# Altium PCB CONTROLBAORD_PCB.PcbDoc (part 2 of 2)
Units mm, origin at the board's own origin, x right, y up, seen from the top; angles counter-clockwise.
Board outline 100 x 100 mm, 4 copper layers (Top Layer, Int1 (GND), Int2 (PWR), Bottom Layer), stack 1.547 mm thick; 152 components, 98 nets, 463 pads, 239 vias.
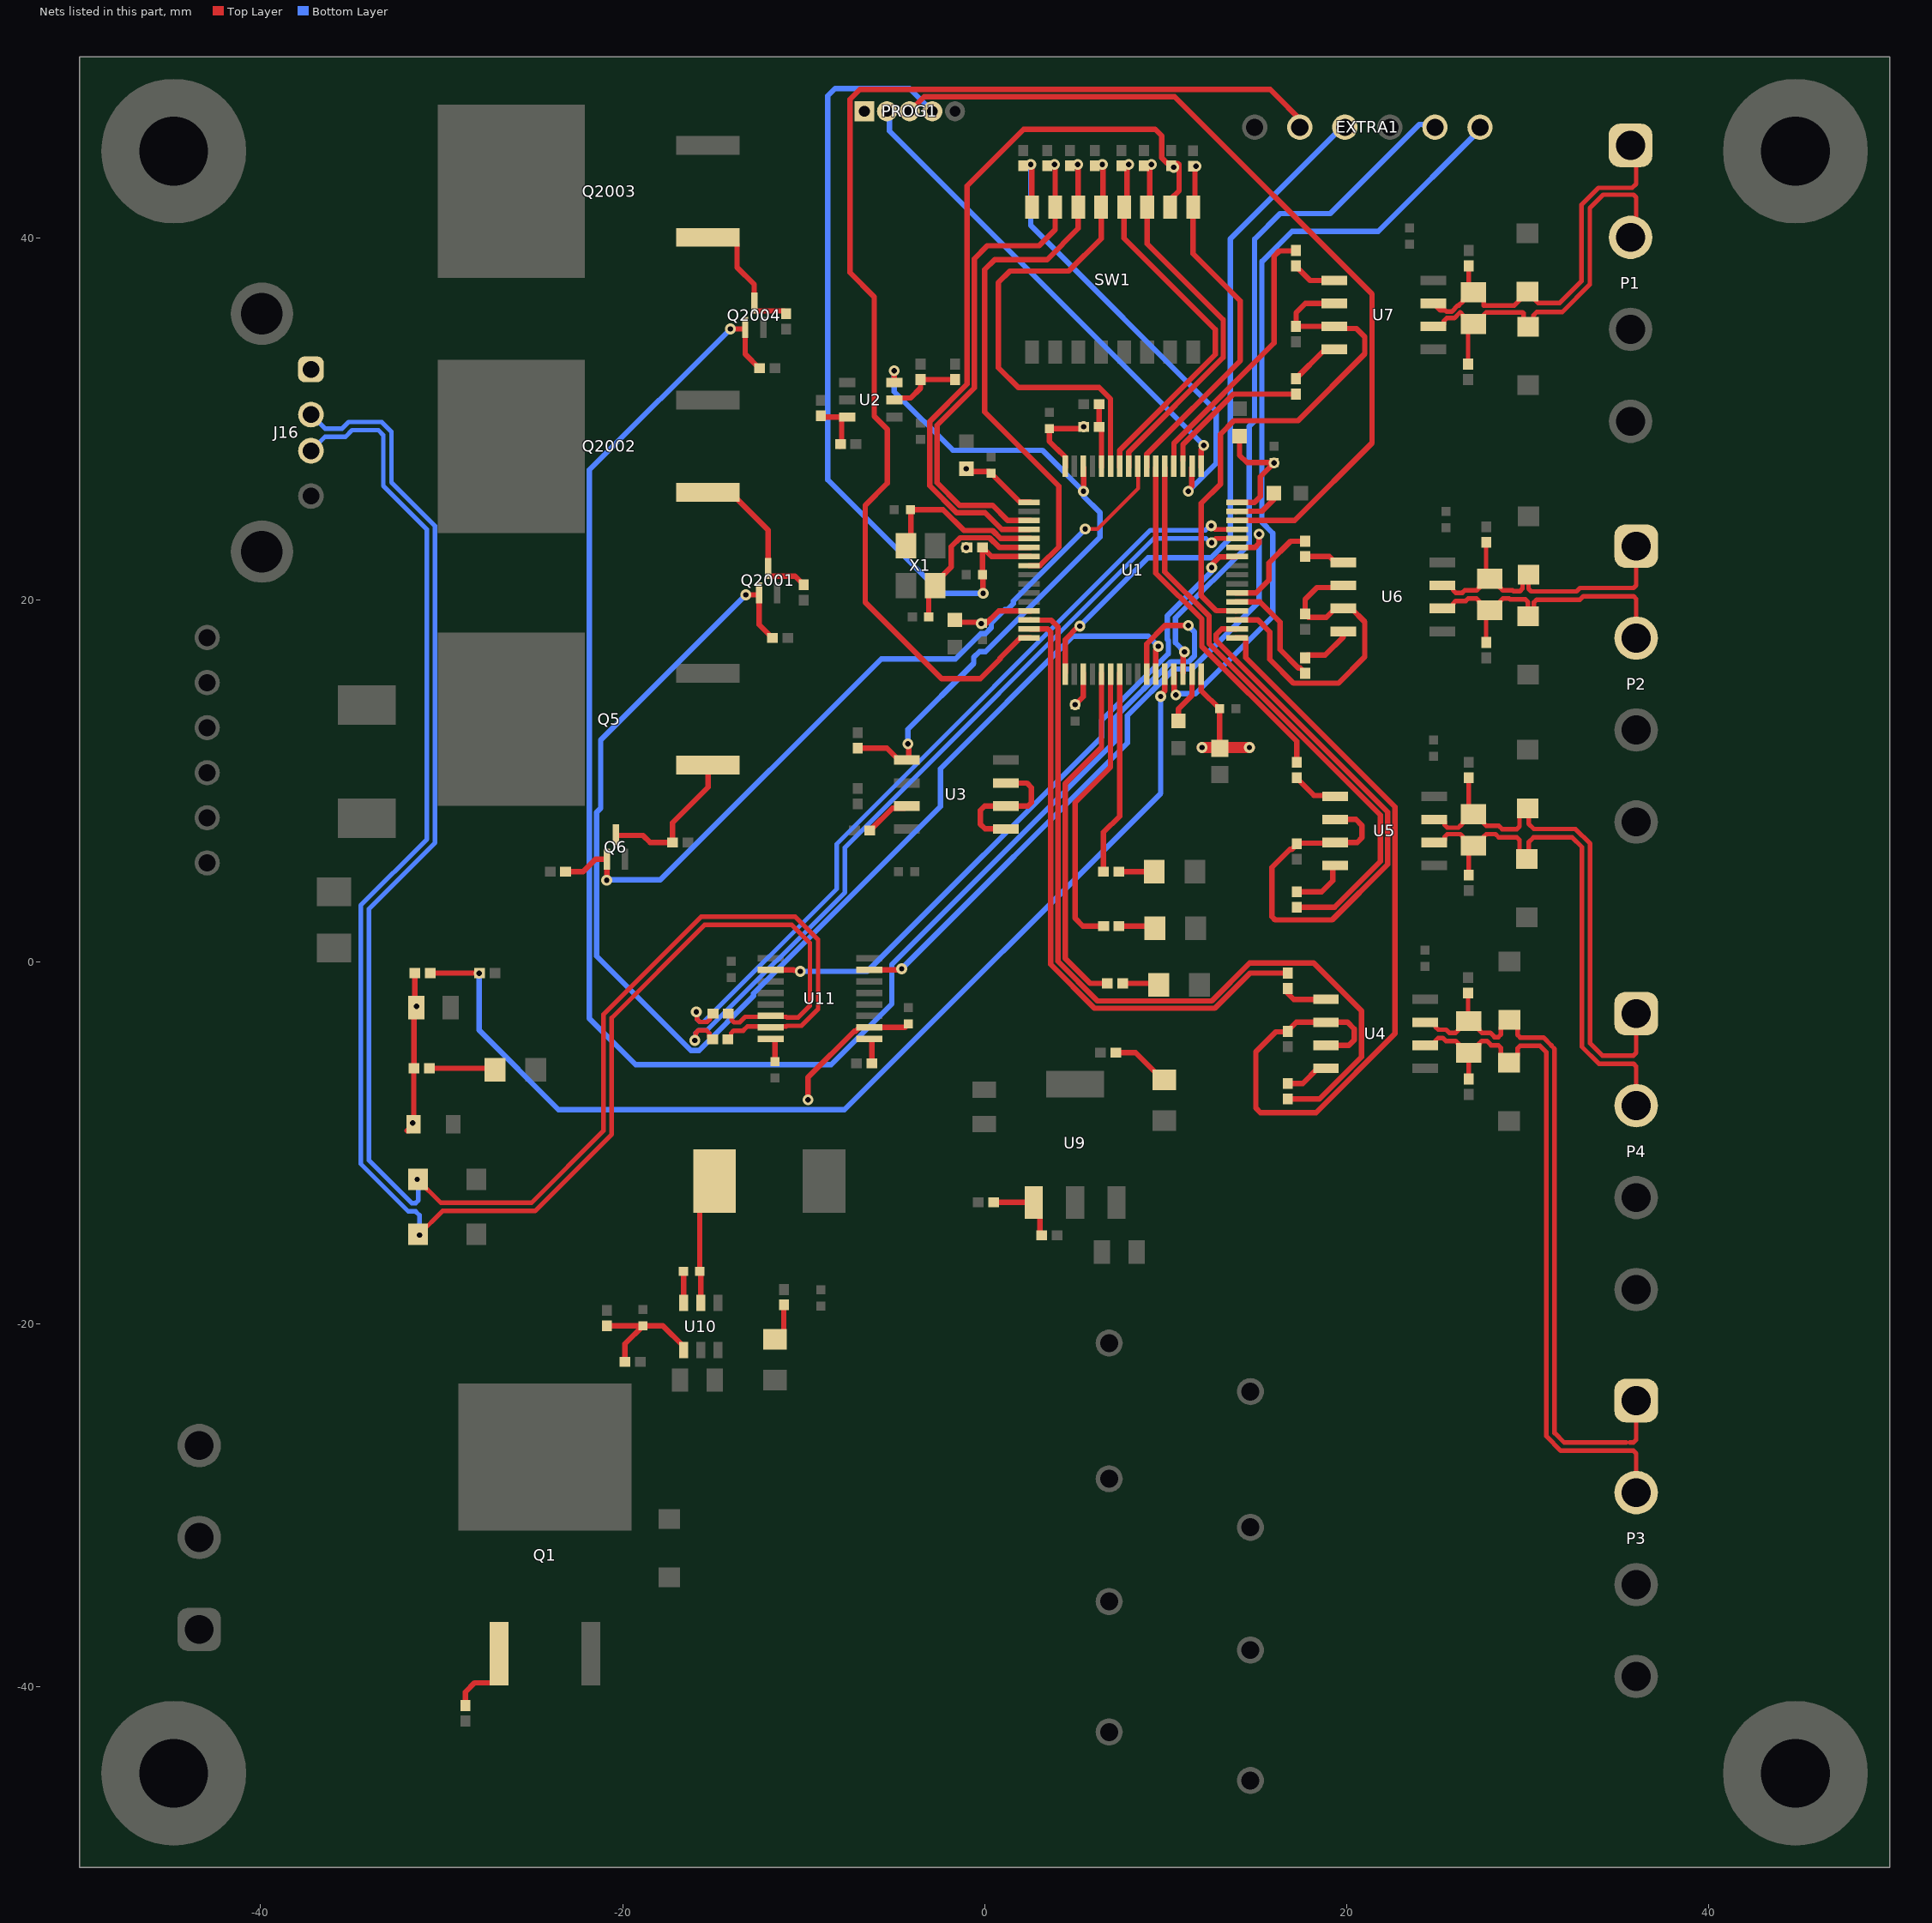
[diagram p4: the nets of this part, all layers, seen from the top]

## Via types
v1: diameter 0.6, hole 0.3, Top Layer to Bottom Layer, 239 vias

## Nets (pads, with @x,y where several pads share a name; then routed paths per layer and width w, separated by ;. In a path a pad name is that pad's centre, name@x,y a point inside that pad or via, vN(x,y) a via of type N, cw(c..) or ccw(c..) an arc to the next point about the centre after c; other vN are vias at no path point) (continued)
I2C_SDA-1: R6.1 U1.62 U2.6 U3.5 | length 38.4
  Top Layer w0.3: R6.1@-7,11.82 -5.396,11.82 -4.742,11.167 U3.5@-4.3,11.167 -4.282,11.167 -4.166,11.283 -4.166,11.354 -4.184,11.373 -4.184,12.008 v1(-4.242,12.065) ; U2.6@-4.988,32.015 v1(-4.988,32.664) ; U1.62@5.46,27.325 5.47,27.315 5.47,26.339
  Bottom Layer w0.3: v1(-4.988,32.664) -4.988,31.515 -1.752,28.279 3.192,28.279 v1(5.461,26.01) 5.461,25.756 6.375,24.841 6.375,23.479 0.058,17.162 -0.279,17.162 -0.601,16.839 -0.601,16.503 -4.242,12.862 v1(-4.242,12.065)
NetC3_2: C3.2 PROG1.4 R3.2 U1.7 | length 44.3
  Top Layer w0.3: v1(-0.076,20.371) -0.093,20.388 -0.093,21.388 C3.2@-0.11,21.405 R3.2@-0.11,22.905 0.39,22.405 U1.7@2.46,22.405 U1.7@2.54,22.405
  Bottom Layer w0.3: PROG1.4@-2.888,47 -4.148,48.26 -8.255,48.26 -8.661,47.854 -8.661,26.645 -2.388,20.371 v1(-0.076,20.371)
NetC21_1: C21.1 U10.6 | length 1.7
  Top Layer w0.3: U10.6@-16.629,-18.82 C21.1@-16.629,-17.08
NetC21_2: C21.2 L2.1 U10.5 | length 7.1
  Top Layer w0.3: C21.2@-15.738,-17.08 -15.738,-12.903 L2.1@-14.915,-12.08 ; U10.5@-15.679,-18.82 C21.2@-15.679,-17.08
NetC25_1: C25.1 R56.1 R59.2 U10.1 | length 7.3
  Top Layer w0.3: R56.1@-20.865,-20.08 C25.1@-18.865,-20.08 ; R59.2@-19.865,-22.08 -19.865,-21.08 C25.1@-18.865,-20.08 ; U10.1@-16.629,-21.424 -16.629,-21.227 -17.776,-20.08 C25.1@-18.865,-20.08
NetC29_2: C29.2 U11.8 | length 1.5
  Top Layer w0.3: U11.8@-11.817,-4.236 -11.603,-4.236 -11.575,-4.264 C29.2@-11.575,-5.483
NetD7_A: D7.A R33.1 | length 2
  Top Layer w0.3: R33.1@7.425,2 9.288,2 D7.A@9.412,1.877
NetD8_A: D8.A R38.1 | length 2
  Top Layer w0.3: R38.1@7.42,5 D8.A@9.371,5
NetD11_A: D11.A R47.1 | length 2
  Top Layer w0.3: R47.1@7.635,-1.169 9.548,-1.169 D11.A@9.621,-1.242
NetD15_A: D15.A R54.1 | length 3.3
  Top Layer w0.3: R54.1@7.25,-5 8.348,-5 9.852,-6.504 D15.A@9.927,-6.504
NetD16_A: D16.A R57.1 | length 2.2
  Top Layer w0.3: D16.A@-11.59,-20.83 -11.515,-20.83 -11.09,-20.405 R57.1@-11.09,-18.93
NetD18_A: D18.A R60.2 | length 3.7
  Top Layer w0.3: R60.2@-30.675,-5.86 -27.122,-5.86 D18.A@-27.048,-5.933
NetEXTRA1_1: EXTRA1.1 U1.29 | length 43.9
  Top Layer w0.3: U1.29@10.46,15.985 10.47,15.975 10.47,14.935 10.566,14.839 v1(10.566,14.757)
  Bottom Layer w0.3: v1(10.566,14.757) 10.499,14.825 11.65,14.825 15.926,19.101 15.926,23.7 15.319,24.307 15.319,38.71 15.342,38.71 16.993,40.361 21.742,40.361 EXTRA1.1@27.661,46.279
NetEXTRA1_2: EXTRA1.2 U1.30 | length 38.9
  Top Layer w0.3: U1.30@10.96,15.985 10.97,15.995 10.97,16.985 11.049,17.064 v1(11.049,17.145)
  Bottom Layer w0.3: v1(11.049,17.145) 10.551,17.643 10.551,19.019 14.614,23.082 14.614,29.601 14.919,29.906 14.919,39.938 16.332,41.351 19.096,41.351 24.023,46.278 EXTRA1.2@25.171,46.278
NetEXTRA1_4: EXTRA1.4 U1.17 | length 39.1
  Top Layer w0.3: U1.17@4.46,15.985 4.45,15.995 4.45,17.824 5.193,18.567 v1(5.258,18.567)
  Bottom Layer w0.3: v1(5.258,18.567) 9.034,22.343 12.504,22.343 13.58,23.419 13.58,39.954 19.905,46.279 EXTRA1.4@20.193,46.279
NetEXTRA1_5: EXTRA1.5 U1.16 | length 67.2
  Top Layer w0.3: U1.16@2.54,17.905 1.965,17.905 0.863,16.803 0.863,16.747 -0.229,15.655 -2.378,15.655 -6.595,19.873 -6.595,25.228 -5.368,26.455 -5.368,29.437 -6.096,30.164 -6.096,36.747 -7.442,38.093 -7.442,47.658 -6.896,48.204 15.779,48.204 EXTRA1.5@17.704,46.279
NetPROG1_2: PROG1.2 U1.49 | length 27
  Top Layer w0.3: U1.49@11.96,27.325 11.97,27.335 11.97,28.323 12.116,28.468 v1(12.116,28.55)
  Bottom Layer w0.3: PROG1.2@-5.388,47 -5.249,46.861 -5.249,45.915 v1(12.116,28.55)
NetPROG1_3: PROG1.3 U1.46 | length 47.9
  Top Layer w0.3: PROG1.3@-4.138,47 -3.334,47.804 10.503,47.804 21.406,36.901 21.406,28.677 17.134,24.405 U1.46@13.88,24.405
NetQ1_1: Q1.1 R49.2 | length 4.2
  Top Layer w0.3: R49.2@-28.685,-41.062 -28.685,-40.312 -28.177,-39.804 -27.193,-39.804 -26.822,-39.433 Q1.1@-26.822,-38.202
NetQ5_1: Q5.1 Q6.3 R64.1 | length 8.4
  Top Layer w0.3: Q6.3@-20.365,7.036 -20.365,7.025 -20.34,7 -18.865,7 -18.481,6.616 R64.1@-17.24,6.616 -17.24,7.7 -15.277,9.663 Q5.1@-15.277,10.88
NetQ6_1: Q6.1 R65.2 U1.56 | length 42.9
  Top Layer w0.2: v1(5.563,23.927) 6.248,23.927 8.484,26.162 8.484,26.797
  Top Layer w0.3: R65.2@-23.15,5 -22.178,5 -21.492,5.686 Q6.1@-20.865,5.686 -20.872,5.679 -20.872,4.528 v1(-20.879,4.521)
  Bottom Layer w0.3: v1(-20.879,4.521) -20.85,4.55 -17.918,4.55 -5.713,16.755 -1.609,16.755 -0.211,18.153 0.046,18.153 0.369,18.475 0.369,18.733 1.118,19.482 1.263,19.482 1.585,19.804 1.585,19.949 v1(5.563,23.927)
NetQ2001_1: Q2001.1 R2001.2 U1.27 | length 72.6
  Top Layer w0.3: v1(-13.183,20.295) -12.485,20.295 Q2001.1@-12.46,20.32 ; Q2001.1@-12.46,20.405 Q2001.1@-12.46,20.32 ; R2001.2@-11.715,17.905 -11.74,17.905 -11.865,18.03 -11.865,18.055 -12.46,18.65 Q2001.1@-12.46,20.32 ; U1.27@9.46,15.985 9.46,17.227 9.601,17.369 v1(9.601,17.45)
  Bottom Layer w0.3: v1(-13.183,20.295) -21.209,12.268 -21.209,8.501 -21.429,8.281 -21.429,0.331 -16.23,-4.868 -15.774,-4.868 -12.763,-1.857 -12.763,-1.718 -2.44,8.604 -2.44,10.689 4.871,18 9.051,18 v1(9.601,17.45)
NetQ2001_3: Q2001.3 Q2002.1 R2002.1 | length 8.9
  Top Layer w0.3: Q2002.1@-15.277,25.957 -14.045,25.957 -11.96,23.872 Q2001.3@-11.96,21.755 -11.96,21.35 -11.935,21.324 -10.474,21.324 R2002.1@-10,20.85
NetQ2003_1: Q2003.1 Q2004.3 R2003.1 | length 7.7
  Top Layer w0.3: Q2003.1@-15.277,40.037 -14.045,40.037 -13.674,39.666 -13.674,38.381 -12.725,37.432 Q2004.3@-12.725,36.401 -12.725,35.996 -12.7,35.97 -11.085,35.97 -10.96,35.845 R2003.1@-10.96,35.821
NetQ2004_1: Q2004.1 R2004.2 U1.26 | length 96.7
  Top Layer w0.3: v1(-14.046,34.976) -13.25,34.976 Q2004.1@-13.225,35.001 ; Q2004.1@-13.225,35.051 Q2004.1@-13.225,35.001 ; R2004.2@-12.425,32.81 -12.45,32.81 -13.225,33.585 Q2004.1@-13.225,35.001 ; U1.26@8.96,15.985 8.96,17.586 9.966,18.593 v1(11.252,18.593)
  Bottom Layer w0.3: v1(-14.046,34.976) -21.829,27.193 -21.829,-3.114 -19.279,-5.664 -8.484,-5.664 -5.128,-2.309 -5.128,-0.136 7.188,12.181 7.188,13.485 10.299,16.595 11.277,16.595 11.599,16.917 11.599,18.246 v1(11.252,18.593)
NetR1_1: R1.1 R2.1 U1.60 | length 3.6
  Top Layer w0.3: R1.1@6.325,30.815 R2.1@6.325,29.565 6.335,29.565 6.46,29.44 U1.60@6.46,27.325
NetR8_1: R8.1 SW1.8 U1.50 | length 26.6
  Top Layer w0.3: v1@2.58,44.075 2.605,44.05 2.605,41.884 SW1.8@2.63,41.859 ; v1(11.252,26.01) 11.252,26.091 11.45,26.289 11.45,27.315 U1.50@11.46,27.325
  Bottom Layer w0.3: v1(2.548,44.067) 2.548,40.699 12.802,30.446 12.802,27.559 v1(11.252,26.01)
NetR9_1: R9.1 SW1.7 U1.3 | length 28
  Top Layer w0.3: U1.3@2.54,24.405 U1.3@2.46,24.405 1.273,24.405 0.445,25.233 -1.382,25.233 -2.631,26.482 -2.631,29.659 -0.569,31.722 -0.569,38.852 0.152,39.573 3.011,39.573 3.9,40.462 3.9,41.859 v1@3.9,44.075
  other v1: 3.868,44.067
NetR10_1: R10.1 SW1.6 U1.8 | length 28.7
  Top Layer w0.3: U1.8@2.46,21.905 2.462,21.907 3.065,21.907 4.098,22.94 4.098,26.296 0,30.394 0,38.252 0.559,38.811 3.454,38.811 5.17,40.527 5.17,41.859 v1@5.17,44.075
  other v1: 5.138,44.067
NetR11_1: R11.1 SW1.5 U1.59 | length 26.2
  Top Layer w0.3: v1@6.54,44.075 6.54,41.959 6.44,41.859 6.44,39.968 4.648,38.176 1.397,38.176 0.762,37.541 0.762,32.842 1.865,31.739 6.33,31.739 6.96,31.109 U1.59@6.96,27.325
  other v1: 6.508,44.067
NetR12_1: R12.1 SW1.4 U1.58 | length 21.2
  Top Layer w0.3: U1.58@7.46,27.325 7.462,27.327 7.462,28.273 12.752,33.562 12.752,34.952 7.71,39.994 SW1.4@7.71,41.7 7.71,41.859 7.875,42.024 7.875,43.95 v1@8,44.075
  other v1: 7.968,44.067
NetR13_1: R13.1 SW1.3 U1.57 | length 20.8
  Top Layer w0.3: U1.57@7.96,27.325 U1.57@7.96,27.405 7.96,28.178 13.183,33.401 13.183,35.484 8.98,39.686 SW1.3@8.98,41.7 8.98,41.859 9.125,42.004 9.125,43.95 v1@9.25,44.075
  other v1: 9.218,44.067
NetR14_1: R14.1 SW1.2 U1.4 | length 41
  Top Layer w0.3: U1.4@2.46,23.905 0.95,23.905 0.022,24.833 -1.548,24.833 -3.031,26.316 -3.031,29.865 -0.969,31.928 -0.969,42.872 2.159,45.999 9.423,45.999 9.781,45.642 9.781,44.433 10.09,44.124 10.661,44.124 v1(10.447,43.91) ; SW1.2@10.25,41.859 10.25,42.113 10.75,42.613 10.75,44.067
NetR15_1: R15.1 SW1.1 U1.55 | length 19.9
  Top Layer w0.3: U1.55@8.96,27.325 8.96,28.061 14.122,33.223 14.122,36.539 11.52,39.141 11.52,41.859 11.627,41.965 11.627,43.917 v1(11.684,43.974)
NetR16_1: R16.1 R19.2 U2.3 | length 3.3
  Top Layer w0.3: R19.2@-9.054,30.187 -8.982,30.115 U2.3@-7.789,30.115 ; R16.1@-8,28.5 R16.1@-7.963,28.537 ; R16.1@-7.963,28.612 R16.1@-7.963,28.537 ; U2.3@-7.592,30.115 U2.3@-7.789,30.115 ; R16.1@-7.963,28.537 -7.893,28.607 -7.893,30.011 U2.3@-7.789,30.115
NetR17_1: R17.1 R18.2 U2.5 | length 4.1
  Top Layer w0.3: U2.5@-4.988,31.065 -4.891,31.163 -4.087,31.163 -3.538,31.712 R18.2@-3.538,32.187 R17.1@-1.638,32.187
NetR20_2: R20.2 U3.7 | length 2.6
  Top Layer w0.3: R20.2@-6.339,7.285 -6.314,7.285 -5.088,8.511 -4.417,8.511 U3.7@-4.3,8.627
NetR23_1: R23.1 U4.1 | length 2.2
  Top Layer w0.3: R23.1@16.75,-1.719 17.081,-2.05 U4.1@18.86,-2.05
NetR23_2: R23.2 U1.15 | length 34.4
  Top Layer w0.3: U1.15@2.54,18.405 3.493,18.405 3.65,18.248 3.65,-0.117 6.075,-2.542 12.716,-2.542 14.659,-0.599 R23.2@16.75,-0.599
NetR24_1: R24.1 U5.1 | length 2.6
  Top Layer w0.3: R24.1@17.25,10.186 17.25,10.161 18.201,9.21 19.306,9.21 U5.1@19.36,9.156
NetR24_2: R24.2 U1.54 | length 19.5
  Top Layer w0.3: U1.54@9.46,27.325 9.46,21.493 12.005,18.948 12.005,18.492 12.002,18.488 12.002,17.444 17.25,12.196 R24.2@17.25,11.036
NetR27_1: R27.1 U4.4 | length 2.5
  Top Layer w0.3: R27.1@16.75,-6.702 17.575,-6.702 18.417,-5.86 U4.4@18.86,-5.86
NetR27_2: R27.2 U1.14 | length 47.4
  Top Layer w0.3: U1.14@2.54,18.905 2.55,18.895 3.682,18.895 4.05,18.527 4.05,0.048 6.241,-2.142 12.55,-2.142 14.643,-0.049 18.187,-0.049 20.822,-2.684 20.822,-5.226 18.496,-7.552 R27.2@16.75,-7.552
NetR28_1: R28.1 U5.4 | length 3.1
  Top Layer w0.3: R28.1@17.25,3.891 18.623,3.891 19.243,4.511 19.243,5.23 U5.4@19.36,5.346
NetR28_2: R28.2 U1.53 | length 32.4
  Top Layer w0.3: U1.53@9.96,27.325 9.96,21.559 12.405,19.113 12.405,18.326 12.402,18.323 12.402,17.61 21.876,8.136 21.876,5.575 19.342,3.041 R28.2@17.25,3.041
NetR31_2: R31.2 U1.33 U4.2 U4.3 | length 47.1
  Top Layer w0.3: U1.33@13.88,17.905 14.42,17.905 14.43,17.895 14.43,16.823 22.676,8.577 22.676,-3.938 18.308,-8.306 15.24,-8.306 14.986,-8.052 14.986,-4.953 16.095,-3.844 16.75,-3.844 R31.2@16.75,-3.819 16.75,-3.794 17.224,-3.32 U4.2@18.86,-3.32 20.059,-3.32 20.422,-3.683 20.422,-4.293 20.124,-4.59 U4.3@18.86,-4.59
NetR32_2: R32.2 U1.34 U5.2 U5.3 | length 36.3
  Top Layer w0.3: U1.34@13.88,18.405 13.111,18.405 12.802,18.096 12.802,17.775 22.276,8.301 22.276,5.409 19.206,2.339 16.051,2.339 15.875,2.515 15.875,5.24 16.871,6.236 16.975,6.236 17.25,6.511 R32.2@17.25,6.536 17.29,6.576 19.32,6.576 U5.3@19.36,6.616 20.586,6.616 20.853,6.883 20.853,7.551 20.518,7.886 U5.2@19.36,7.886
NetR33_2: R33.2 U1.22 | length 16.1
  Top Layer w0.3: R33.2@6.575,2 5.433,2 5,2.433 5,8.822 6.96,10.782 U1.22@6.96,15.985
NetR36_1: R36.1 U6.1 | length 2.2
  Top Layer w0.3: R36.1@17.71,22.405 19.055,22.405 19.378,22.083 U6.1@19.82,22.083
NetR36_2: R36.2 U1.38 | length 5.6
  Top Layer w0.3: U1.38@13.88,20.405 15,20.405 15.71,21.115 15.71,22.06 16.905,23.255 R36.2@17.71,23.255
NetR37_1: R37.1 U7.1 | length 2.5
  Top Layer w0.3: R37.1@17.21,38.465 17.21,38.44 17.991,37.659 U7.1@19.32,37.659
NetR37_2: R37.2 U1.52 | length 15.3
  Top Layer w0.3: U1.52@10.46,27.325 10.46,28.661 16,34.201 16,39 16.29,39.29 17.21,39.29 R37.2@17.21,39.315
NetR38_2: R38.2 U1.23 | length 11.4
  Top Layer w0.3: R38.2@6.57,5 6.57,7.175 7.46,8.065 U1.23@7.46,15.985
NetR41_1: R41.1 U6.4 | length 2.9
  Top Layer w0.3: R41.1@17.71,16.81 17.71,16.835 17.835,16.96 18.82,16.96 19.82,17.96 U6.4@19.82,18.273
NetR41_2: R41.2 U1.37 | length 6.4
  Top Layer w0.3: U1.37@13.88,19.905 13.89,19.895 15.22,19.895 16.323,18.792 16.323,17.268 17.331,16.26 17.435,16.26 17.71,15.985 R41.2@17.71,15.96
NetR42_1: R42.1 U7.4 | length 2.8
  Top Layer w0.3: R42.1@17.21,32.23 17.21,32.305 17.26,32.305 18.688,33.733 19.203,33.733 U7.4@19.32,33.849
NetR42_2: R42.2 U1.51 | length 8.3
  Top Layer w0.3: U1.51@10.96,27.711 10.96,28.596 13.744,31.38 R42.2@17.21,31.38
NetR45_2: R45.2 U1.35 U6.2 U6.3 | length 19.1
  Top Layer w0.3: U1.35@13.88,18.905 15.106,18.905 15.762,18.249 15.762,16.722 17.074,15.41 19.55,15.41 21.006,16.866 21.006,18.799 20.262,19.543 U6.3@19.82,19.543 19.378,19.543 18.885,19.05 17.895,19.05 17.86,19.085 17.835,19.085 17.71,19.21 R45.2@17.71,19.235 17.71,20.047 18.36,20.697 19.703,20.697 U6.2@19.82,20.813
NetR46_2: R46.2 U1.36 U7.2 U7.3 | length 29.5
  Top Layer w0.3: U1.36@13.88,19.405 13.87,19.415 12.803,19.415 11.972,20.246 11.972,25.345 13.03,26.403 13.03,29.166 13.775,29.911 17.313,29.911 21.006,33.604 21.006,34.544 20.547,35.003 19.634,35.003 19.518,35.119 U7.3@19.32,35.119 19.318,35.12 17.212,35.12 R46.2@17.21,35.122 17.21,35.872 17.727,36.389 U7.2@19.32,36.389
NetR47_2: R47.2 U1.21 | length 19.5
  Top Layer w0.3: U1.21@6.46,15.985 6.46,11.87 4.46,9.87 4.46,0.204 5.833,-1.169 R47.2@6.785,-1.169
NetR55_1: R55.1 R58.2 U9.1 | length 4.2
  Top Layer w0.3: R58.2@0.502,-13.264 U9.1@2.71,-13.264 3.06,-13.614 3.06,-14.985 R55.1@3.155,-15.08
NetR61_2: R61.2 R62.1 U1.28 | length 59.3
  Top Layer w0.3: R62.1@-30.623,-0.599 R61.2@-27.898,-0.599 ; v1(9.728,14.681) 9.728,14.762 9.95,14.984 9.95,15.975 U1.28@9.96,15.985
  Bottom Layer w0.3: v1(-27.93,-0.607) -27.93,-3.749 -23.534,-8.145 -7.738,-8.145 9.728,9.322 v1(9.728,14.681)
NetR63_1: R63.1 U11.9 | length 1.5
  Top Layer w0.3: U11.9@-6.369,-4.236 -6.26,-4.236 -6.232,-4.264 R63.1@-6.232,-5.582
NetU1_42: U1.42 U11.2 | length 36.9
  Top Layer w0.3: U11.2@-11.817,-0.426 -10.547,-0.426 -10.516,-0.457 ; v1(12.548,21.793) 12.548,21.966 12.977,22.395 13.87,22.395 U1.42@13.88,22.405
  Bottom Layer w0.3: v1(-10.185,-0.508) -6.479,-0.508 6.471,12.442 6.471,13.361 10.151,17.041 10.151,17.778 10.099,17.83 10.099,19.132 12.548,21.581 v1(12.548,21.793)
NetU1_43: U1.43 U11.15 | length 36.6
  Top Layer w0.3: U11.15@-6.369,-0.426 -4.642,-0.426 v1@-4.496,-0.279 ; U1.43@13.88,22.905 13.89,22.915 14.939,22.915 15.164,23.139 v1(15.164,23.647)
  Bottom Layer w0.3: v1(-4.578,-0.364) 7.899,12.114 7.899,13.63 10.464,16.195 11.442,16.195 15.164,19.916 v1(15.164,23.647)
NetU3_1: U3.1 U3.2 U3.3 | length 7.6
  Top Layer w0.3: U3.1@1.18,7.357 1.168,7.369 0.022,7.369 -0.229,7.62 -0.229,8.388 0.01,8.627 U3.2@1.18,8.627 2.393,8.627 2.58,8.814 2.58,9.311 2.591,9.322 2.591,9.645 2.339,9.897 U3.3@1.18,9.897
OSC_IN: C10.1 U1.5 X1.3 | length 9.4
  Top Layer w0.3: X1.3@-4.338,23.005 -4.064,23.279 -4.064,24.986 -4.05,25 -2.292,25 -1.137,23.845 0.445,23.845 0.885,23.405 U1.5@2.46,23.405 U1.5@2.54,23.405
OSC_OUT: C9.1 U1.6 X1.1 | length 9.2
  Top Layer w0.3: C9.1@-3.088,19.065 -3.088,20.455 X1.1@-2.738,20.805 -2.738,20.932 -1.84,21.83 -1.84,22.953 -1.348,23.445 0.279,23.445 0.819,22.905 U1.6@2.46,22.905 U1.6@2.54,22.905
RS485_1_N: D1.1 P3.1 R22.1 R25.1 U4.7 | length 39.2
  Top Layer w0.254: U4.7@24.34,-3.32 24.782,-3.32 24.922,-3.459 24.922,-3.579 25.071,-3.728 25.499,-3.728 25.669,-3.898 26.028,-3.898 26.177,-3.749 26.177,-3.673 26.6,-3.25 R25.1@26.75,-3.25 ; R22.1@26.71,-1.696 26.71,-3.21 R25.1@26.75,-3.25 ; 35.453,-26.528 32.023,-26.528 31.493,-25.998 31.493,-4.79 31.318,-4.616 31.318,-4.597 30.879,-4.159 29.594,-4.159 29.445,-4.01 29.445,-3.609 29.026,-3.19 D1.1@29,-3.19 28.949,-3.19 28.53,-3.609 28.53,-3.985 28.381,-4.134 28.171,-4.134 27.935,-3.898 27.472,-3.898 27.323,-3.749 27.323,-3.673 26.9,-3.25 R25.1@26.75,-3.25 ; 35.641,-26.528 35.851,-26.528 36,-26.379 P3.1@36,-24.215
RS485_1_P: D3.1 P3.2 R25.2 R29.2 U4.6 | length 39.3
  Top Layer w0.254: U4.6@24.34,-4.59 24.782,-4.59 24.922,-4.451 24.922,-4.331 25.071,-4.182 25.311,-4.182 25.481,-4.352 26.028,-4.352 26.177,-4.501 26.177,-4.577 26.6,-5 R25.2@26.75,-5 ; R29.2@26.75,-6.45 R25.2@26.75,-5 ; P3.2@36,-29.295 36,-27.131 35.851,-26.982 31.835,-26.982 31.039,-26.186 31.039,-4.978 30.673,-4.613 29.594,-4.613 29.445,-4.761 29.445,-5.137 29.026,-5.556 D3.1@28.975,-5.556 28.949,-5.556 28.53,-5.137 28.53,-4.736 28.381,-4.588 27.983,-4.588 27.747,-4.352 27.472,-4.352 27.323,-4.501 27.323,-4.577 26.9,-5 R25.2@26.75,-5
RS485_2_N: D2.1 P4.1 R21.1 R26.1 U5.7 | length 29.9
  Top Layer w0.254: U5.7@24.84,7.886 25.282,7.886 25.422,7.747 25.422,7.577 25.571,7.428 25.896,7.428 25.9,7.432 26.173,7.432 26.273,7.532 26.278,7.532 26.427,7.681 26.427,7.757 26.85,8.18 R26.1@27,8.18 ; R21.1@26.75,10.186 26.75,8.43 R26.1@27,8.18 ; P4.1@36,-2.84 36,-5.004 35.851,-5.153 34.126,-5.153 33.454,-4.481 33.454,6.546 32.643,7.357 30.348,7.357 30.062,7.643 30.062,8.453 D2.1@30.009,8.506 29.973,8.506 29.554,8.087 29.554,7.499 29.405,7.35 28.595,7.35 28.413,7.532 27.722,7.532 27.573,7.681 27.573,7.757 27.15,8.18 R26.1@27,8.18
RS485_2_P: D4.1 P4.2 R26.2 R30.2 U5.6 | length 29.6
  Top Layer w0.254: U5.6@24.84,6.616 25.282,6.616 25.422,6.755 25.422,6.925 25.571,7.074 26.043,7.074 26.047,7.078 26.278,7.078 26.427,6.929 26.427,6.853 26.85,6.43 R26.2@27,6.43 ; R30.2@26.75,4.808 26.75,6.18 R26.2@27,6.43 ; P4.2@36,-7.92 36,-5.756 35.851,-5.607 35.453,-5.607 33.938,-5.607 33,-4.669 33,6.358 32.466,6.892 30.326,6.892 30.062,6.628 30.062,5.802 D4.1@29.959,5.699 29.554,6.104 29.554,6.748 29.405,6.896 28.407,6.896 28.225,7.078 27.722,7.078 27.573,6.929 27.573,6.853 27.15,6.43 R26.2@27,6.43
RS485_3_N: D5.1 P2.1 R34.1 R39.1 U6.7 | length 17.5
  Top Layer w0.254: U6.7@25.3,20.813 25.742,20.813 25.882,20.674 25.882,20.554 26.031,20.405 26.39,20.405 26.522,20.537 27.187,20.537 27.335,20.686 27.335,20.762 27.758,21.185 R39.1@27.908,21.185 ; R34.1@27.71,23.202 27.71,21.383 R39.1@27.908,21.185 ; P2.1@36,22.985 36,20.821 35.851,20.672 32.893,20.672 32.703,20.482 30.199,20.482 30.05,20.631 D5.1@30.05,21.411 29.721,21.082 29.721,20.641 29.572,20.492 29.222,20.492 29.177,20.537 28.63,20.537 28.481,20.686 28.481,20.762 28.058,21.185 R39.1@27.908,21.185
RS485_3_P: D9.1 P2.2 R39.2 R43.2 U6.6 | length 17.3
  Top Layer w0.254: U6.6@25.3,19.543 25.742,19.543 25.882,19.682 25.882,19.802 26.031,19.951 26.578,19.951 26.71,20.083 27.187,20.083 27.335,19.934 27.335,19.858 27.758,19.435 R39.2@27.908,19.435 ; R43.2@27.71,17.66 27.71,19.237 R39.2@27.908,19.435 ; P2.2@36,17.905 36,20.069 35.851,20.218 33.081,20.218 32.891,20.028 30.503,20.028 30.354,19.879 30.354,19.438 D9.1@30.025,19.109 30.025,19.889 29.876,20.038 29.034,20.038 28.989,20.083 28.63,20.083 28.481,19.934 28.481,19.858 28.058,19.435 R39.2@27.908,19.435
RS485_4_N: D6.1 P1.1 R35.1 R40.1 U7.7 | length 21.9
  Top Layer w0.254: U7.7@24.8,36.389 24.8,36.377 25.175,36.002 25.459,36.002 25.531,35.931 25.805,35.931 26.149,36.275 26.201,36.275 26.427,36.501 26.427,36.577 R40.1@26.85,37 ; R35.1@26.75,38.465 26.75,37 R40.1@26.85,37 ; P1.1@36,45.16 36,42.996 35.774,42.77 33.911,42.77 32.983,41.842 32.983,37.625 31.778,36.42 30.573,36.42 30.304,36.689 30.304,36.777 30.035,37.046 29.264,36.275 27.573,36.275 27.573,36.577 27.227,36.923 27.077,36.923 R40.1@27,37 R40.1@26.85,37
RS485_4_P: D10.1 P1.2 R40.2 R44.2 U7.6 | length 22.9
  Top Layer w0.254: U7.6@24.8,35.119 25.242,35.119 25.382,35.258 25.382,35.428 25.531,35.577 25.952,35.577 26.273,35.898 26.278,35.898 26.427,35.749 26.427,35.673 26.85,35.25 R40.2@27,35.25 ; R44.2@26.71,33.037 26.71,34.96 R40.2@27,35.25 ; P1.2@36,40.08 36,42.244 35.851,42.393 34.176,42.393 33.437,41.654 33.437,37.437 31.916,35.916 30.505,35.916 30.314,35.724 30.314,35.343 29.783,35.343 29.783,35.838 29.723,35.898 27.722,35.898 27.573,35.749 27.573,35.673 27.15,35.25 R40.2@27,35.25
USB1_D_N: R4.2 U1.44 | length 44.6
  Top Layer w0.254: v1(-16.002,-4.318) -15.959,-4.275 -15.959,-3.906 -15.81,-3.758 -15.375,-3.758 -15.203,-3.929 -15.203,-4.119 R4.2@-15.055,-4.267 ; 12.764,23.408 13.877,23.408 U1.44@13.88,23.405
  Bottom Layer w0.254: v1(-16.002,-4.318) -15.959,-4.275 -15.959,-3.906 -15.81,-3.758 -15.335,-3.758 -7.716,3.862 -7.716,6.339 9.353,23.408 12.226,23.408 12.469,23.165 v1(12.548,23.165)
USB1_D_P: R5.2 U1.45 | length 44.7
  Top Layer w0.254: v1(-15.926,-2.743) -15.882,-2.787 -15.882,-3.155 -15.734,-3.304 -15.326,-3.304 -15.178,-3.155 -15.178,-2.988 -15.03,-2.84 R5.2@-15.005,-2.84 R5.2@-14.888,-2.723 ; v1@12.721,23.905 U1.45@13.88,23.905
  Bottom Layer w0.254: v1(-15.926,-2.743) -15.882,-2.787 -15.882,-3.155 -15.734,-3.304 -15.523,-3.304 -8.17,4.05 -8.17,6.527 9.165,23.862 12.2,23.862 12.443,24.105 v1(12.522,24.105)
USB_D_N: D19.2 J16.2 R4.1 U11.7 | length 96.7
  Top Layer w0.254: D19.2@-31.719,-12.419 D19.2@-31.3,-12 ; D19.2@-31.29,-12.036 -30.04,-13.286 -25.027,-13.286 -21.057,-9.315 -21.057,-2.889 -15.657,2.511 -10.455,2.511 -9.198,1.255 -9.198,-2.594 -10.115,-3.511 -10.915,-3.511 -10.955,-3.55 -11.767,-3.55 U11.7@-11.817,-3.601 -11.868,-3.55 -13.109,-3.55 -13.339,-3.781 -13.858,-3.781 -14.007,-3.929 -14.007,-4.119 -14.155,-4.267 R4.1@-14.18,-4.267 R4.1@-14.297,-4.384
  Bottom Layer w0.254: J16.2@-37.215,30.25 -36.442,29.477 -35.497,29.477 -35.133,29.841 -33.304,29.841 -32.766,29.303 -32.766,26.499 -30.356,24.089 -30.356,6.601 -34.011,2.946 -34.011,-10.942 -31.646,-13.307 -31.435,-13.307 -31.286,-13.158 -31.286,-12.061 v1(-31.35,-11.997)
USB_D_P: D20.1 J16.3 R5.1 U11.6 | length 95
  Top Layer w0.254: D20.1@-31.719,-14.606 D20.1@-31.3,-15.025 ; D20.1@-31.242,-15.037 -29.945,-13.74 -24.839,-13.74 -20.603,-9.503 -20.603,-3.077 -15.469,2.057 -10.643,2.057 -9.652,1.067 -9.652,-2.406 -10.303,-3.057 -10.915,-3.057 -10.955,-3.017 -11.767,-3.017 U11.6@-11.817,-2.966 -11.868,-3.017 -13.218,-3.017 -13.527,-3.327 -13.833,-3.327 -13.982,-3.178 -13.982,-2.988 -14.13,-2.84 R5.1@-14.155,-2.84
  Bottom Layer w0.254: J16.3@-37.215,28.25 -36.442,29.023 -35.309,29.023 -34.945,29.387 -33.492,29.387 -33.22,29.115 -33.22,26.311 -30.81,23.901 -30.81,6.789 -34.465,3.134 -34.465,-11.13 -31.834,-13.761 -31.435,-13.761 -31.223,-13.973 v1(-31.223,-15.071)
VBUS: C28.2 C30.2 D17.2 J16.1 R60.1 R62.2 U11.10 | length 17
  Top Layer w0.3: D17.2@-31.9,-9.3 -31.8,-9.3 -31.55,-9.05 D17.2@-31.55,-8.95 -31.537,-8.937 -31.537,-5.873 R60.1@-31.525,-5.86 -31.525,-2.641 C30.2@-31.4,-2.516 -31.473,-2.443 R62.2@-31.473,-0.599 ; v1(-9.754,-7.595) -9.754,-6.359 -7.203,-3.808 -7.129,-3.808 -6.922,-3.601 U11.10@-6.369,-3.601 -4.392,-3.601 C28.2@-4.207,-3.416
  other v1: -31.592,-8.882 -31.389,-2.429
VCAP1: C2.2 U1.31 | length 3
  Top Layer w0.3: C2.2@10.71,13.325 10.71,13.992 11.46,14.742 U1.31@11.46,15.985
VCAP2: C1.2 U1.47 | length 2.7
  Top Layer w0.3: U1.47@13.88,24.905 13.89,24.915 15.339,24.915 15.983,25.559 C1.2@15.983,25.908
VDD_MCU: C4.2 C5.1 C6.1 C7.1 C8.1 C11.1 C12.2 C13.2 C14.1 L1.2 PROG1.1 R2.2 R3.1 U1.1 U1.13 U1.19 U1.32 U1.48 U1.64 | length 29.4
  Top Layer w0.3: C13.2@-1.638,18.905 -1.506,18.773 -0.159,18.773 C14.1@-0.11,18.723 -0.006,18.619 0.78,19.405 U1.13@2.54,19.405 ; C11.1@-1.01,27.25 -0.86,27.1 0.262,27.1 C12.2@0.362,27 1.947,25.415 2.53,25.415 U1.1@2.54,25.405 ; U1.64@4.46,27.325 4.46,27.9 4.02,28.34 4.01,28.34 3.58,28.77 C5.1@3.58,29.47 5.378,29.47 v1(5.483,29.575) ; C7.1@5,14.208 5.46,14.668 U1.19@5.46,15.985 ; U1.32@11.96,15.985 11.97,15.975 11.97,15.005 C6.1@12.98,13.995 L1.2@12.98,11.84 ; L1.2@12.548,11.862 12.968,11.828 L1.2@12.98,11.84 ; L1.2@13.042,11.862 L1.2@13,11.82 L1.2@12.98,11.84 ; U1.48@13.88,25.405 14.914,25.405 15.24,25.731 15.24,26.82 v1(15.996,27.576) ; C4.2@14.083,29.065 14.083,28.011 14.497,27.597 C8.1@16,27.597
  Top Layer w0.6: v1(12.014,11.862) L1.2@12.548,11.862 ; L1.2@13.042,11.862 v1(14.63,11.862)
  other v1: 4.997,14.226 -0.181,18.703 -1.02,22.895 -1.02,27.255
pads on no net: EXTRA1.6 J16.Shell M1.0 M2.0 M3.0 M4.0 U1.2 U1.9 U1.10 U1.11 U1.20 U1.24 U1.25 U1.39 U1.40 U1.41 U11.4 U11.5 U11.11 U11.12 U11.14 U11.16
copper on no net: | length 0
  Top Layer w0.3: 5.96,15.985 5.97,15.995

## Polygon pours and split planes (outlines as drawn)
12V0_PWIN on Top Layer "Top Layer-12V0_PWIN" (solid, pour order 138): -31.115,-34.341 -22.555,-34.341 -19.355,-31.14 -19.355,-24.155 -21.59,-21.92 -36.779,-21.92 -38.354,-23.495 -39.878,-23.495 -42.596,-20.777 -42.824,-20.777 -42.824,-5.258 -41.453,-3.886 -35.128,-3.886 -33.198,-1.956 -33.198,1.219 -34.087,2.108 -46.939,2.108 -48.565,0.483 -48.565,-32.487 -46.177,-34.874 -39.37,-34.874 -39.37,-35.712 -38.202,-36.881 -33.655,-36.881 -32.182,-35.408
ALARM_PWIN on Top Layer "Top Layer-ALARM_PWIN" (solid, pour order 140): -35.789,10.262 -31.727,10.262 -30.429,8.963 -30.429,4.597 -32.461,2.565 -36.713,2.565 -38.329,4.181 -38.329,7.722
12V0_PROT on Top Layer "Top Layer-12V0_PROT" (solid, pour order 114): -22.225,-44.882 8.416,-44.882 9.55,-43.747 9.55,-20.676 8.407,-19.533 -0.762,-19.533 -5.486,-24.257 -11.532,-24.257 -13.767,-22.022 -13.767,-20.904 -14.3,-20.371 -15.672,-20.371 -16.129,-20.828 -16.129,-21.966 -15.665,-22.43 -15.665,-23.818 -16.383,-24.536 -18.167,-26.314 -18.771,-26.924 -18.771,-27.838 -16.383,-30.226 -16.383,-31.445 -19.939,-35.001 -23.47,-35.001 -25.603,-37.135 -25.603,-44.78 -24.409,-45.974 -23.317,-45.974
12V0_3348 on Top Layer "Top Layer-12V0_3348" (solid, pour order 120): 14.529,-42.57 12.929,-44.171 12.929,-46.99 14.63,-48.692 34.773,-48.692 40.183,-43.282 40.183,-33.63 38.202,-31.648 32.614,-31.648 21.692,-42.57
5V0_INT on Top Layer "Top Layer-5V0_INT" (solid, pour order 20): -12.065,-11.264 -9.243,-8.53 -7.345,-8.56 -7.315,-8.53 -5.202,-10.643 -5.156,-10.643 -5.156,-12.065 -6.976,-13.885 -11.25,-13.845 -12.065,-13.03 -12.065,-12.116
no net on Top Layer "Top Layer-No Net" (solid, pour order 14): -16.129,-21.438
no net on Top Layer "Top Layer-No Net 1" (solid, pour order 12): -15.646,-23.216
no net on Top Layer "Top Layer-No Net 2" (solid, pour order 10): -15.989,-23.228
GND on Int1 (GND) "Int1 (GND)-GND" (solid, pour order 24): -47.371,49.835 -49.682,47.523 -49.682,-48.489 -48.793,-49.378 -48.793,-49.479 47.879,-49.479 49.403,-47.955 49.759,-47.955 49.759,48.285 48.108,49.936 48.031,49.86 -47.32,49.86
no net on Int1 (GND) "Int1 (GND)-No Net" (solid, pour order 22): -50.114,49.936
3V3_INT on Int2 (PWR) "Int2 (PWR)-3V3_INT" (solid, pour order 48): 8.611,-2.286 13.792,2.896 13.792,9.22 13.056,9.957 4.039,9.957 -2.946,16.942 -2.946,31.648 -0.965,33.63 -0.965,34.849 -9.5,43.383 -9.5,46.863 -7.823,48.539 -7.823,48.59 -0.737,48.59 -0.229,48.082 -0.229,44.044 1.854,41.961 14.072,41.961 16.231,44.12 16.231,47.803 14.529,49.505 14.529,49.555 -10.541,49.555 -11.938,48.158 -11.938,39.624 -7.163,34.849 -7.163,18.034 -10.084,15.113 -10.084,9.906 -14.63,5.359 -15.875,5.359 -17.272,3.962 -17.272,1.829 -8.28,-7.163 -8.28,-9.423 -0.33,-17.374 3.861,-17.374 8.611,-12.624
ALARM1_PWOUT on Int2 (PWR) (solid, pour order 164): -25.121,15.545 -24.232,14.656 -24.232,10.744 -24.867,10.109 -33.477,10.109 -34.722,11.354 -34.751,11.325 -37.088,11.325 -39.014,9.398 -39.014,5.512 -40.691,3.835 -43.612,3.835 -44.933,5.156 -44.933,8.484 -44.323,9.093 -41.453,9.093 -41.453,9.119 -37.363,13.208 -31.318,13.208 -28.981,15.545
no net on Int2 (PWR) (solid, pour order 162): -23.952,13.741
ALARM2_PWOUT on Int2 (PWR) (solid, pour order 160): -28.829,33.147 -26.035,33.147 -24.333,31.445 -24.333,23.444 -34.112,13.665 -37.795,13.665 -41.885,9.576 -44.12,9.576 -45.237,10.693 -45.237,12.615 -44.018,13.835 -44.001,13.818 -41.402,13.818 -37.795,17.424 -29.947,25.273 -29.947,32.029
ALARM3_PWOUT on Int2 (PWR) (solid, pour order 158): -31.502,44.425 -26.949,44.425 -25.603,43.078 -25.603,36.982 -30.328,32.258 -30.328,25.832 -38.633,17.526 -41.783,14.376 -44.298,14.376 -45.39,15.469 -45.39,16.789 -34.945,27.234 -34.945,40.982
VBUS on Int2 (PWR) (solid, pour order 156): -36.093,-11.303 -35.154,-11.303 -35.027,-11.43 -32.334,-11.43 -30.836,-9.931 -30.836,-8.153 -30.074,-7.391 -13.487,-7.391 -12.37,-8.509 -9.601,-8.509 -9.093,-8.001 -9.093,-7.798 -9.093,-6.985 -14.834,-1.245 -28.677,-1.245 -41.815,-1.245 -45.72,2.661 -45.72,17.501 -40.691,22.53 -35.668,27.552 -35.668,33.001 -37.592,34.925 -46.355,34.925 -49.581,31.699 -49.581,-10.465 -49.403,-10.465 -46.787,-13.081 -37.871,-13.081
VDD_MCU on Int2 (PWR) "Int2 (PWR)-VDD_MCU" (solid, pour order 108): 4.75,10.49 13.589,10.49 14.351,9.728 14.351,-32.228 14.457,-32.334 15.723,-32.334 16.815,-31.242 16.815,28.042 16.815,29.921 15.833,30.903 1.609,30.903 1.372,31.141 1.372,37.516 -6.172,45.06 -6.172,47.523 -6.756,48.108 -6.782,48.082 -7.823,48.082 -8.992,46.914 -8.992,43.434 -0.33,34.773 -0.33,33.934 -0.94,33.325 -2.591,31.674 -2.591,29.185 -2.007,28.6 -2.007,17.247
ALARM_PWIN on Int2 (PWR) "Int2 (PWR)-ALARM_PWIN" (solid, pour order 148): -10.871,16.18 -8.23,18.821 -8.23,34.849 -12.319,38.938 -12.319,45.466 -14.427,47.574 -17.704,47.574 -20.574,44.704 -20.574,12.7 -23.495,9.779 -34.798,9.779 -36.017,10.998 -37.04,10.991 -38.43,9.601 -38.379,9.55 -38.379,4.801 -37.135,3.556 -19.253,3.556 -18.39,4.42 -16.942,5.867 -14.656,5.867 -10.871,9.652
5V0_INT on Int2 (PWR) "Int2 (PWR)-5V0_INT" (solid, pour order 88): -16.485,-20.168 -5.486,-20.168 -2.464,-23.19 4.496,-23.19 7.442,-26.137 7.442,-30.328 5.74,-32.029 5.74,-38.608 11.379,-44.247 35.001,-44.247 41.377,-37.871 41.377,38.76 37.44,42.697 25.476,42.697 25.4,42.774 20.726,38.1 20.726,33.452 20.676,33.452 17.882,30.658 17.882,-31.598 17.856,-31.598 16.51,-32.944 14.224,-32.944 13.691,-32.41 13.691,-32.36 13.691,-12.446 12.548,-11.303 10.871,-11.303 4.267,-17.907 -0.406,-17.907 -8.788,-9.525 -11.811,-9.525 -13.462,-7.874 -29.149,-7.874 -30.023,-8.748 -30.023,-14.605 -24.46,-20.168 -22.962,-20.168 -22.301,-20.828 -22.301,-24.282 -31.648,-33.63 -43.053,-33.63 -45.314,-35.89 -45.314,-38.151 -43.764,-39.7 -33.325,-39.7 -19.99,-26.365 -19.99,-23.673
12V0_PWIN on Int2 (PWR) "Int2 (PWR)-12V0_PWIN" (solid, pour order 80): -43.764,-33.274 -32.08,-33.274 -25.146,-26.34 -25.146,-24.028 -25.984,-23.19 -42.951,-23.19 -44.171,-24.409 -45.085,-25.324 -45.085,-31.953
12V0_PROT on Int2 (PWR) "Int2 (PWR)-12V0_4964" (solid, pour order 64): -30.404,-43.002 -27.508,-45.898 -24.079,-45.898 -19.329,-45.898 -4.242,-30.81 -1.753,-28.321 -1.753,-24.663 -4.851,-21.565 -15.418,-21.565 -19.177,-25.324 -19.177,-27 -30.404,-38.1
no net on Int2 (PWR) "Int2 (PWR)-No Net 6" (solid, pour order 96): -32.563,-10.135
no net on Int2 (PWR) "Int2 (PWR)-No Net" (solid, pour order 58): -45.58,31.267 -45.555,31.293 -45.542,31.293
no net on Int2 (PWR) "Int2 (PWR)-No Net 1" (solid, pour order 56): -45.58,31.267
no net on Int2 (PWR) "Int2 (PWR)-No Net 2" (solid, pour order 54): -45.58,31.267
no net on Int2 (PWR) "Int2 (PWR)-No Net 3" (solid, pour order 42): -2.972,30.378
no net on Int2 (PWR) "Int2 (PWR)-No Net 4" (solid, pour order 38): -0.203,34.239
no net on Int2 (PWR) "Int2 (PWR)-No Net 5" (solid, pour order 36): -0.203,34.239
no net on Bottom Layer "Bottom Layer-No Net 1" (solid, pour order 130): 10.058,-25.857
12V0_116 on Bottom Layer "Bottom Layer-12V0_116" (solid, pour order 128): 9.855,-25.857 15.697,-25.857 18.212,-23.343 18.212,0.406 40.513,22.708 40.513,35.611 38.379,37.744 30.169,37.744 23.089,30.664 23.089,18.009 11.176,6.096 11.176,-2.159 8.433,-4.902 8.433,-24.435
12V0_1732 on Bottom Layer "Bottom Layer-12V0_1732" (solid, pour order 124): 13.208,-32.106 14.453,-33.35 18.898,-33.35 27.407,-24.841 27.407,-8.534 40.259,4.318 40.259,13.208 38.43,15.037 34.061,15.037 34.061,14.935 25.4,6.274 25.4,1.753 21.742,-1.905 21.742,-10.643 19.279,-13.106 19.279,-23.419 13.208,-29.489
12V0_4964 on Bottom Layer "Bottom Layer-12V0_4964" (solid, pour order 122): 34.29,-10.719 32.004,-13.005 32.004,-21.234 18.863,-34.375 13.377,-34.375 11.532,-36.22 11.532,-39.192 12.929,-40.589 25.146,-40.589 44.933,-20.803 44.933,-14.097 41.554,-10.719
no net on Bottom Layer "Bottom Layer-No Net" (solid, pour order 76): -1.295,-16.459

## Other copper
Top Layer:
  region net RS485_2_P: 30.977,7.15

## Silkscreen, mask and mechanical layers (free items; w line width, h text height)
Board Edge:
  the board outline again, w0.254

## Text inside footprints (layer, text, board x,y; h text height)
J16: Mechanical 16 "PCB Edge" at -51.425,31.45 h0.81 r270
SW1: Top Overlay "OFF" at 13.513,41.523 h1.27 r270; Top Overlay "ON" at 13.477,35.2 h1.27 r270; Top Overlay "1" at 12.243,41.726 h1 r270